# Altium PCB NIMBUS_BASEv2_B.PcbDoc (part 3 of 3)
Units mm, origin at the board's own origin, x right, y up, seen from the top; angles counter-clockwise.
Board outline 112.96 x 78 mm, 4 copper layers (Top Layer, Signal Layer 1, GND, Bottom Layer), stack 0.778 mm thick; 176 components, 193 nets, 813 pads, 983 vias.
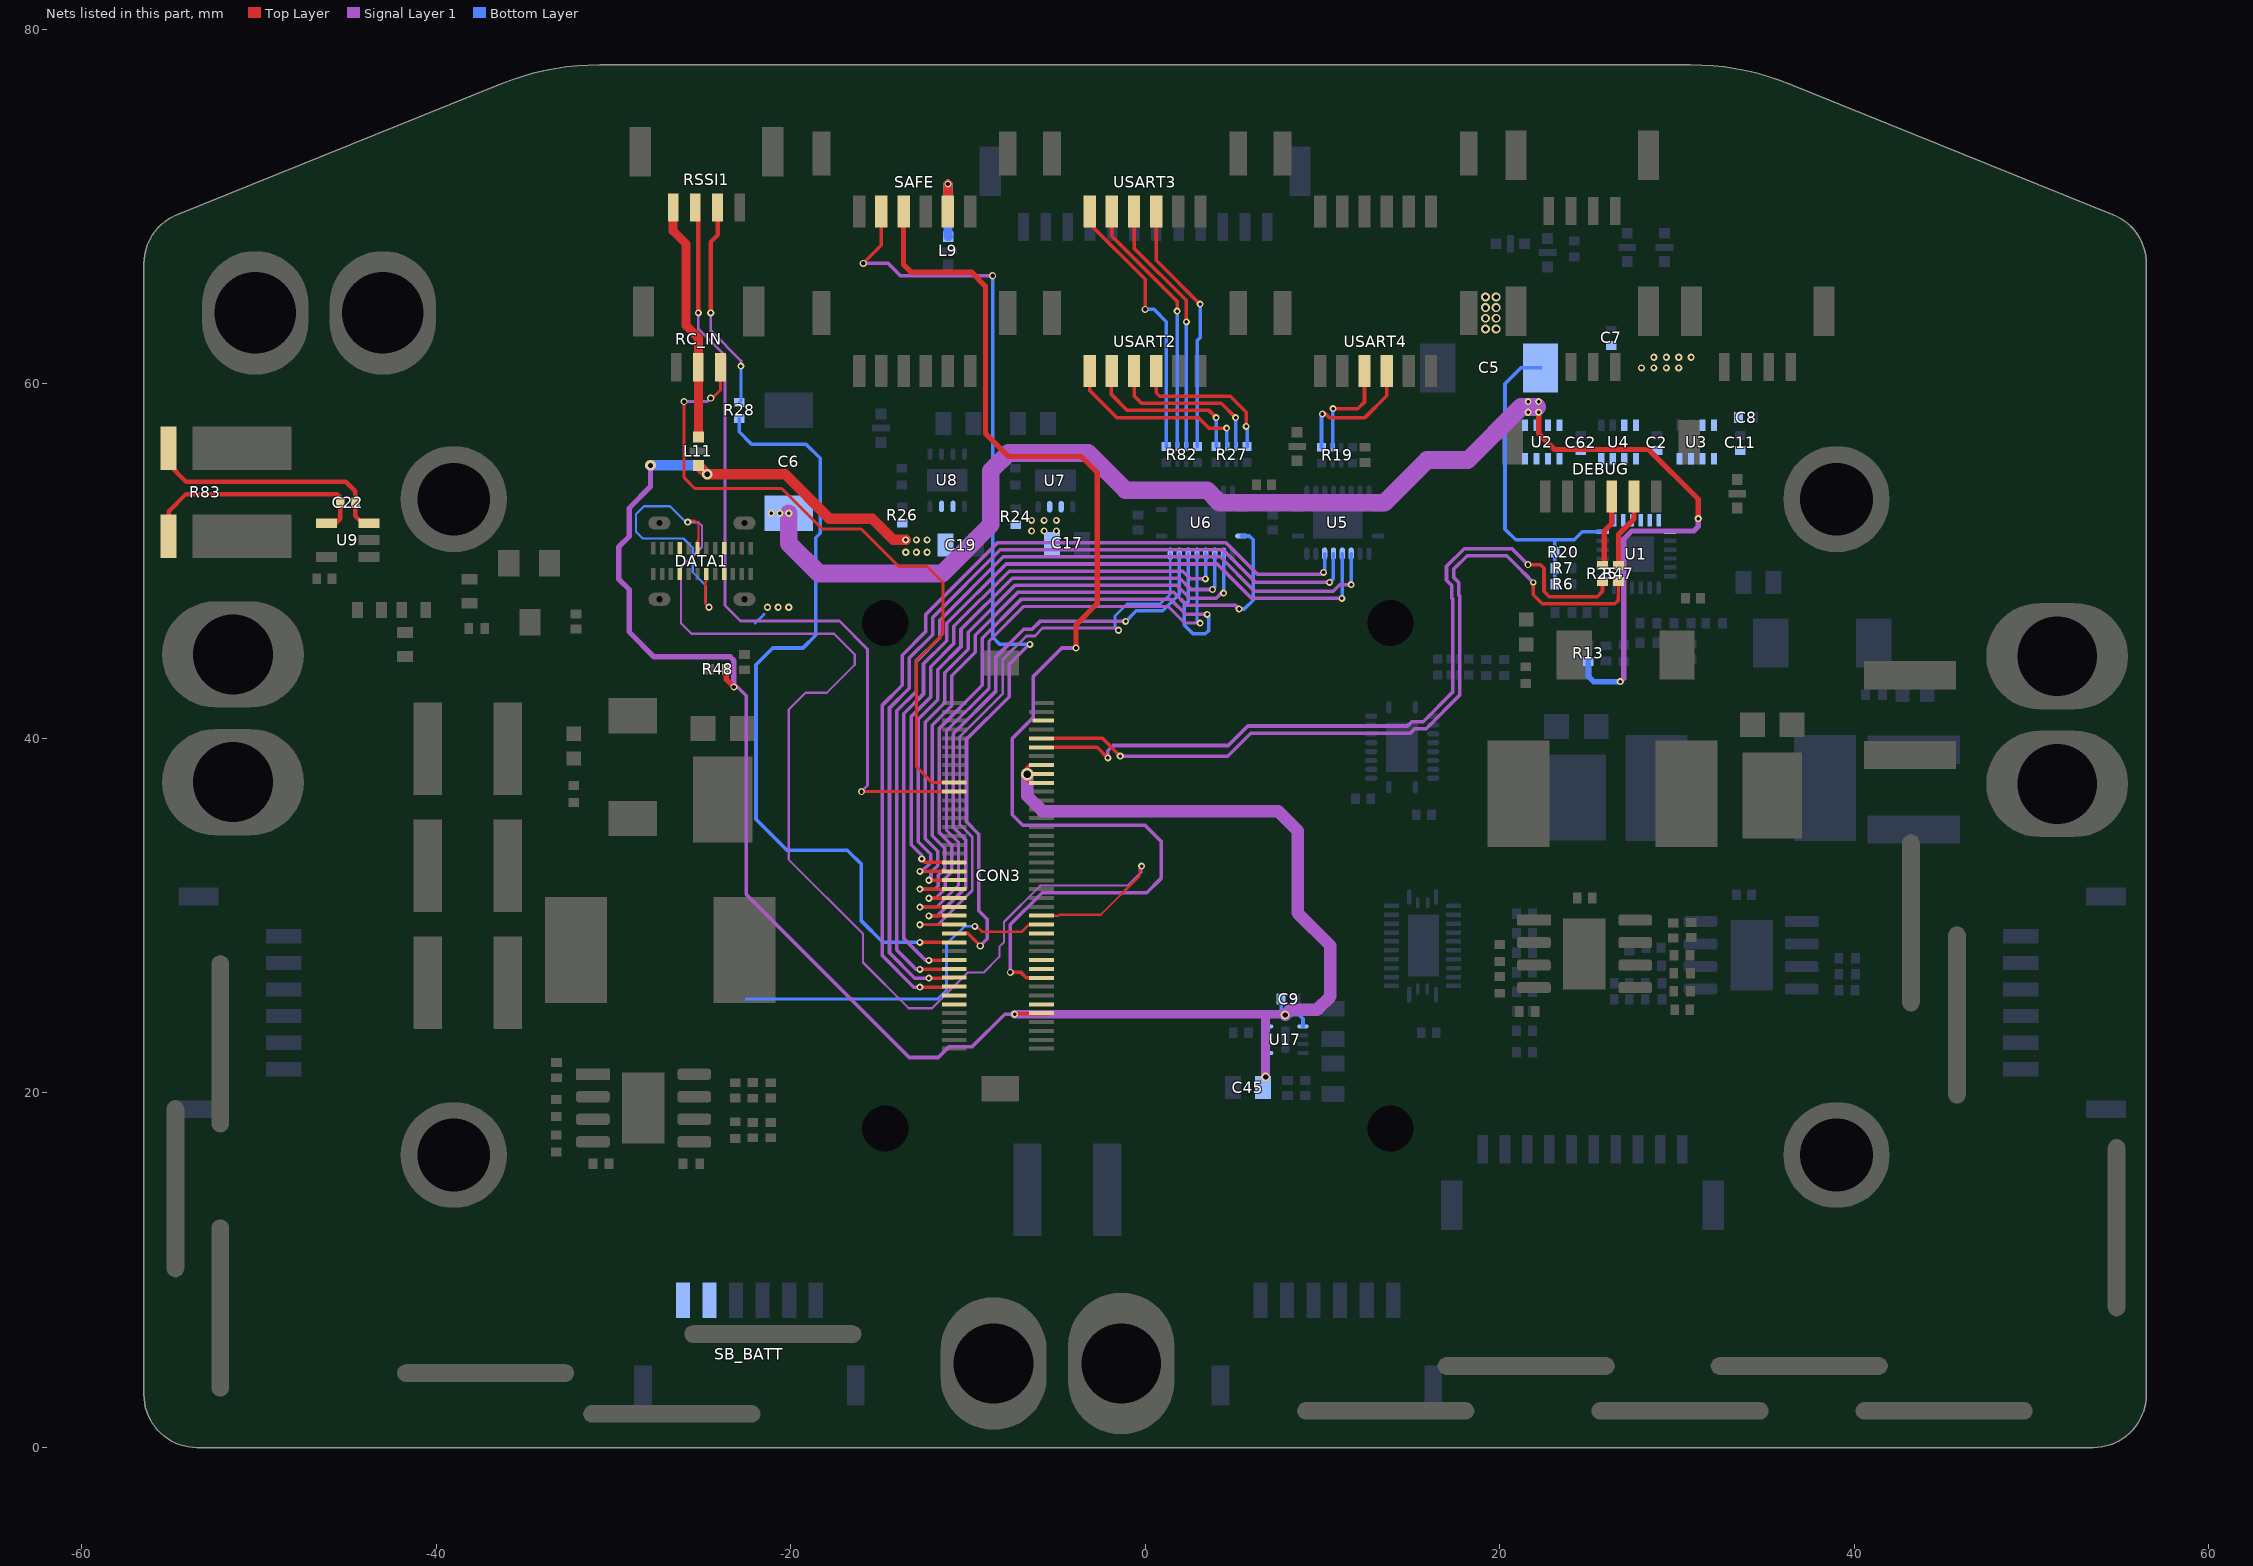
[diagram p5: the nets of this part, all layers, seen from the top]

## Via types
v1: diameter 0.4, hole 0.2, Top Layer to Bottom Layer, tented both sides, 647 vias
v2: diameter 0.5, hole 0.35, Top Layer to Bottom Layer, tented top, 135 vias
v3: diameter 0.5, hole 0.3, Top Layer to Bottom Layer, tented both sides, 126 vias
v4: diameter 0.4, hole 0.25, Top Layer to Bottom Layer, tented both sides, 46 vias
v5: diameter 0.35, hole 0.2, Top Layer to Bottom Layer, tented both sides, 18 vias
v6: diameter 0.6, hole 0.3, Top Layer to Bottom Layer, tented both sides, 6 vias
v7: diameter 0.65, hole 0.65, Top Layer to Bottom Layer, tented both sides, 4 vias
v8: diameter 0.7, hole 0.4, Top Layer to Bottom Layer, tented both sides, 1 vias

## Nets (pads, with @x,y where several pads share a name; then routed paths per layer and width w, separated by ;. In a path a pad name is that pad's centre, name@x,y a point inside that pad or via, vN(x,y) a via of type N, cw(c..) or ccw(c..) an arc to the next point about the centre after c; other vN are vias at no path point) (continued)
OTG_P: CON3.16 DATA1.A6 DATA1.B6 | length 82.7
  Top Layer w0.125: v1(-25.8,52.2) -25.8,52.3 -25.4,52.3 -25.19,52.09 -25.19,51.198 -25.25,51.137 DATA1.A6@-25.25,50.725 ; DATA1.B6@-24.75,49.275 -24.75,48.863 -24.811,48.802 -24.811,47.611 v1(-24.6,47.4) ; CON3.16@-5.502,29.994 -4.881,29.994 -4.817,30.058 -2.506,30.058 -0.321,32.243 -0.321,32.679 v1(-0.2,32.8)
  Signal Layer 1 w0.125: v1(-25.8,52.2) -25.2,52.2 ; -25.2,52.2 -25,52 -25,50.8 -26.179,49.621 -26.179,46.492 -25.587,45.9 -17.546,45.9 -16.379,44.733 -16.379,44.157 -17.957,42.579 -19.157,42.579 -19.268,42.468 -20.099,41.637 -20.099,33.163 -15.914,28.978 -15.914,27.358 -13.331,24.775 -12.025,24.775 -10,26.8 -9.1,26.8 -8.221,27.679 -8.221,28.243 -7.963,28.502 -7.963,29.65 -5.95,31.663 -5.937,31.663 -5.9,31.7 -0.964,31.7 -0.2,32.464 v1(-0.2,32.8)
  Bottom Layer w0.125: v1(-25.8,52.2) -25.9,52.2 -26.8,53.1 -28.264,53.1 -28.721,52.643 -28.721,51.657 -28.343,51.279 -26.043,51.279 -25.521,50.757 -25.521,49.367 -24.81,48.657 -24.81,47.61 v1(-24.6,47.4)
RC_IN_PORT: CON3.50 RC_IN.3 | length 38.5
  Top Layer w0.17: v4(-26,59) -26,54.7 -25.4,54.1 -20.5,54.1 -18.2,51.8 -16.003,51.8 -13.903,49.7 -12.3,49.7 -11.4,48.8 -11.4,45.9 -12.9,44.4 -12.9,38.4 -12.002,37.502 CON3.50@-10.817,37.502 ; v4(-24.5,59.2) -24.4,59.2 -23.95,59.65 RC_IN.3@-23.95,60.931 ; CON3.50@-10.815,37.5 CON3.50@-10.817,37.502 ; CON3.50@-10.769,37.502 CON3.50@-10.817,37.502
  Signal Layer 1 w0.17: v4(-26,59) -24.7,59 v4(-24.5,59.2)
RC_VCC: L11.P$2 RC_IN.2 RSSI1.1 | length 13.5
  Top Layer w0.5: RSSI1.1@-26.625,69.95 -26.625,68.625 -25.9,67.9 -25.9,63.3 -25.2,62.6 RC_IN.2@-25.2,60.931 L11.P$2@-25.2,57
RSSI: R28.2 RSSI1.3 | length 11.9
  Top Layer w0.154: RSSI1.3@-24.125,69.95 RSSI1.3@-24.1,69.925
  Top Layer w0.254: v1(-24.5,64) -24.5,68 -24.1,68.4 RSSI1.3@-24.1,69.925
  Signal Layer 1 w0.154: v1(-24.5,64) -24.5,63 -22.8,61.3 v1(-22.8,61)
  Bottom Layer w0.154: R28.2@-22.9,58.95 -22.8,59.05 v1(-22.8,61)
RSSI_IN: CON3.68 R28.1 | length 44.7
  Top Layer w0.2: v1(-12.7,28.499) -12.696,28.503 CON3.68@-10.819,28.503
  Bottom Layer w0.2: R28.1@-22.9,58.05 -22.9,57.3 -22.2,56.6 -19.125,56.6 -18.325,55.8 -18.325,51.572 -18.585,51.312 -18.585,45.815 -19.3,45.1 -21,45.1 -21.95,44.15 -21.95,35.45 -20.2,33.7 -16.8,33.7 -16,32.9 -16,29.7 -14.799,28.499 v1(-12.7,28.499)
SAFE_VCC: L9.P$2 SAFE.2 | length 4.5
  Top Layer w0.5: SAFE.2@-11.125,69.725 v4(-11.125,71.275)
  Bottom Layer w0.5: v4(-11.125,71.275) -11.125,68.325 L9.P$2@-11.1,68.3
SAFETY: CON3.9 SAFE.4 | length 70.7
  Top Layer w0.2: v4(-7.6,26.8) -7,26.8 -6.698,26.498 CON3.9@-5.852,26.498
  Top Layer w0.3: SAFE.4@-13.625,69.725 -13.625,66.725 -13.2,66.3 -9.8,66.3 -9,65.5 -9,57.2 -7.7,55.9 -3.6,55.9 -2.7,55 -2.7,47.6 -3.9,46.4 v4(-3.9,45.1)
  Signal Layer 1 w0.2: v4(-7.6,26.8) -7.6,29.5 -5.8,31.3 0.1,31.3 0.9,32.1 0.9,34.2 -0.004,35.104 -6.904,35.104 -7.5,35.7 -7.5,40 -6.3,41.2 -6.3,43.5 -4.7,45.1 v4(-3.9,45.1)
SAFETY_LED: CON3.67 SAFE.5 | length 54.5
  Top Layer w0.2: v4(-15.9,66.8) -14.875,67.825 SAFE.5@-14.875,69.725 ; CON3.67@-10.769,29.002 -10.002,29.002 v4(-9.3,28.3)
  Signal Layer 1 w0.2: v4(-15.9,66.8) -14.5,66.8 -13.8,66.1 v4(-8.6,66.1) ; v4(-9.3,28.3) -8.9,28.7 -8.9,29.8 -9.376,30.276 -9.376,34.603 -10.076,35.303 -10.076,39.945 -7.661,42.36 -7.661,44.185 v1@-6.5,45.346
  Bottom Layer w0.2: v4(-8.6,66.1) -8.6,45.7 -8.2,45.3 v1(-6.5,45.3)
SBUS_OUTPUT_PROT: CON3.51 RSSI1.2 | length 45.6
  Top Layer w0.154: RSSI1.2@-25.375,69.95 RSSI1.2@-25.2,69.775 ; v4(-16,37) -15.998,37.002 CON3.51@-10.769,37.002
  Top Layer w0.254: v1(-25.2,64) RSSI1.2@-25.2,69.775
  Signal Layer 1 w0.154: v1(-25.2,64) -25.2,63.1 -23.7,61.6 -23.7,47.499 -22.82,46.619 -17.248,46.619 -15.661,45.031 -15.661,37.339 v4(-16,37)
SERVO_G: U1.15 U4.2 U4.4
SERVO_VCC: CON3.14
SERVO_VS: C2.1 U1.16 U4.1 U4.3
SPI5_CS1_EX1: CON3.38
SPI5_CS2_EX1: CON3.6
SPI5_CS3_EX1: CON3.10
UART4_RX: R19.1 USART4.3 | length 7.5
  Top Layer w0.2: v1(10,58.3) 10.193,58.3 10.393,58.1 12.4,58.1 13.625,59.325 USART4.3@13.625,60.725
  Bottom Layer w0.2: R19.1@9.95,56.425 9.95,58.25 v1(10,58.3)
UART4_RX_PORT: CON3.73 U5.7 | length 51
  Top Layer w0.2: v1(-12.7,25.971) -12.696,25.975 CON3.73@-10.819,25.975
  Signal Layer 1 w0.2: v1(-12.7,25.971) -13.054,25.971 -14.818,27.735 -14.818,41.884 -13.7,43.002 -13.7,44.7 -12.385,46.015 -12.385,46.985 -8.33,51.04 4.56,51.04 6.338,49.262 10.062,49.262 v1(10.062,49.362)
  Bottom Layer w0.2: v1(10.062,49.362) 10.125,49.425 U5.7@10.125,50.418
UART4_TX: R19.2 USART4.4 | length 5.9
  Top Layer w0.2: v1(10.6,58.6) 12,58.6 12.375,58.975 USART4.4@12.375,60.725
  Bottom Layer w0.2: R19.2@10.575,56.425 10.575,58.575 v1(10.6,58.6)
UART4_TX_PORT: CON3.72 U5.6 | length 50.6
  Top Layer w0.2: v1@-12.2,26.471 v1(-12.196,26.475) CON3.72@-10.819,26.475
  Signal Layer 1 w0.2: v1(-12.196,26.475) -12.992,26.475 -14.418,27.901 -14.418,41.718 -13.3,42.836 -13.3,44.534 -11.985,45.849 -11.985,46.819 -8.164,50.64 4.394,50.64 6.234,48.8 v1(10.4,48.8)
  Bottom Layer w0.2: v1(10.4,48.8) 10.625,49.025 U5.6@10.625,50.418
UART7_RX: DEBUG.3 R25.2 | length 4.1
  Top Layer w0.3: R25.2@25.8,49.75 25.9,49.85 25.9,51.7 26.325,52.125 DEBUG.3@26.325,53.65
UART7_RX_DEBUG: CON3.35 R25.1 | length 43.9
  Top Layer w0.2: CON3.35@-5.502,39.504 -2.704,39.504 v1(-2.1,38.9) ; v4(21.6,49.8) 22.3,49.8 22.5,49.6 22.5,48.3 22.8,48 25.5,48 25.8,48.3 R25.1@25.8,48.85
  Signal Layer 1 w0.2: v1(-2.1,38.9) -2.1,39.3 -1.8,39.6 4.697,39.6 5.797,40.7 14.797,40.7 15.047,40.95 15.683,40.95 17.35,42.617 17.35,47.87 17.3,47.92 17.3,48.627 17,48.927 17,49.703 17.997,50.7 20.7,50.7 v4(21.6,49.8)
UART7_TX: DEBUG.2 R47.2 | length 4.3
  Top Layer w0.3: R47.2@26.7,49.75 26.7,51.5 27.575,52.375 DEBUG.2@27.575,53.65
UART7_TX_DEBUG: CON3.36 R47.1 | length 44.6
  Top Layer w0.2: CON3.36@-5.502,40.004 -2.404,40.004 v1(-1.4,39) ; v5(21.9,48.8) 21.9,48.1 22.4,47.6 26.5,47.6 26.7,47.8 R47.1@26.7,48.85
  Signal Layer 1 w0.2: v1(-1.4,39) 4.663,39 5.963,40.3 14.963,40.3 15.213,40.55 15.849,40.55 17.75,42.451 17.75,48.036 17.7,48.086 17.7,48.793 17.4,49.093 17.4,49.537 18.163,50.3 20.4,50.3 21.1,49.6 21.1,49.593 21.393,49.3 21.4,49.3 v5(21.9,48.8)
USART1_GPS1_RX: CON3.71 U5.4 | length 50.8
  Top Layer w0.2: v1(-12.7,26.975) -12.696,26.979 CON3.71@-10.819,26.979
  Signal Layer 1 w0.2: v1(-12.7,26.975) -12.926,26.975 -14.018,28.067 -14.018,41.553 -12.9,42.671 -12.9,44.369 -11.585,45.684 -11.585,46.654 -7.999,50.24 4.229,50.24 6.169,48.3 10.607,48.3 10.982,48.675 v1(11.625,48.675)
  Bottom Layer w0.2: U5.4@11.625,50.418 v1(11.625,48.675) v1@11.7,48.6
USART1_GPS1_TX: CON3.70 U5.5 | length 49.1
  Top Layer w0.2: v1@-12.2,27.475 v1(-12.196,27.479) CON3.70@-10.819,27.479
  Signal Layer 1 w0.2: v1(-12.196,27.479) -12.387,27.479 -13.618,28.71 -13.618,41.387 -12.5,42.505 -12.5,44.203 -11.185,45.518 -11.185,46.488 -7.833,49.84 4.063,49.84 6.003,47.9 v1(11.1,47.9)
  Bottom Layer w0.2: v1(11.1,47.9) 11.125,47.925 U5.5@11.125,50.418
USART2_CTS: R27.5 USART2.5 | length 9.4
  Top Layer w0.2: USART2.5@-1.875,60.725 -1.9,60.7 -1.9,59.4 -1,58.5 3.6,58.5 v1(4,58.1)
  Bottom Layer w0.2: R27.5@4,56.461 v1(4,58.1)
USART2_CTS_PORT: CON3.59 U6.5 | length 33.3
  Top Layer w0.2: v1(-12.6,33.2) -12.404,33.004 CON3.59@-10.819,33.004
  Signal Layer 1 w0.2: v1(-12.6,33.2) -12.6,33.409 -13.2,34.009 -13.2,41.239 -12.1,42.339 -12.1,44.037 -10.785,45.352 -10.785,46.322 -7.667,49.44 2.117,49.44 2.557,49 v1(3.4,49)
  Bottom Layer w0.2: v1(3.4,49) 3.425,49.025 U6.5@3.425,50.418
USART2_RTS: R27.6 USART2.6 | length 10.8
  Top Layer w0.2: USART2.6@-3.125,60.725 -3.125,59.625 -1.6,58.1 3,58.1 3.6,57.5 v1(4.6,57.5)
  Bottom Layer w0.2: v1(4.6,57.5) 4.6,56.486 R27.6@4.625,56.461
USART2_RTS_PORT: CON3.60 U6.4 | length 34.9
  Top Layer w0.2: v1(-12.7,32.5) -12.696,32.504 CON3.60@-10.819,32.504
  Signal Layer 1 w0.2: v1(-12.7,32.5) -12.592,32.5 -12.1,32.993 -12.1,33.474 -12.8,34.174 -12.8,41.074 -11.7,42.174 -11.7,43.872 -10.385,45.187 -10.385,46.157 -7.502,49.04 1.952,49.04 2.592,48.4 v1(3.8,48.4)
  Bottom Layer w0.2: v1(3.8,48.4) 3.925,48.525 U6.4@3.925,50.418
USART2_RX: R27.8 USART2.3 | length 8.7
  Top Layer w0.2: USART2.3@0.625,60.725 0.625,59.5 0.825,59.3 4.8,59.3 5.7,58.4 v1(5.7,57.6)
  Bottom Layer w0.2: v1(5.7,57.6) 5.75,57.55 R27.8@5.75,56.461
USART2_RX_PORT: CON3.62 U6.1 | length 40
  Top Layer w0.2: v1(-12.7,31.496) -12.696,31.5 CON3.62@-10.819,31.5
  Signal Layer 1 w0.2: v1(-12.7,31.496) -12.696,31.5 -11.856,31.5 -11.677,31.68 -11.677,32.284 -11.3,32.661 -11.3,33.806 -12,34.506 -12,40.742 -10.9,41.842 -10.9,43.54 -9.585,44.855 -9.585,45.825 -7.17,48.24 1.62,48.24 2.36,47.5 5.1,47.5 v1(5.3,47.3)
  Bottom Layer w0.2: v1(5.3,47.3) 5.6,47.3 6.1,47.8 6.1,51.2 5.882,51.418 U6.1@5.425,51.418
USART2_TX: R27.7 USART2.4 | length 9.3
  Top Layer w0.2: USART2.4@-0.625,60.725 -0.625,59.325 -0.2,58.9 4.3,58.9 v1(5.1,58.1)
  Bottom Layer w0.2: v1(5.1,58.1) 5.125,58.075 R27.7@5.125,56.461
USART2_TX_PORT: CON3.61 U6.3 | length 35
  Top Layer w0.2: v1@-12.2,31.996 v1(-12.196,32) CON3.61@-10.819,32
  Signal Layer 1 w0.2: v1(-12.196,32) -12.077,32.119 -12.077,32.45 -11.7,32.827 -11.7,33.64 -12.4,34.34 -12.4,40.908 -11.3,42.008 -11.3,43.706 -9.985,45.021 -9.985,45.991 -7.336,48.64 1.786,48.64 2.526,47.9 4.007,47.9 4.307,48.2 v1(4.425,48.2)
  Bottom Layer w0.2: v1(4.425,48.2) U6.3@4.425,50.418
USART3_CTS: R82.6 USART3.5 | length 14.9
  Top Layer w0.2: USART3.5@-1.875,69.725 -1.875,68.344 1.8,64.669 v1(1.8,64.1) v1@1.875,64.175
  Bottom Layer w0.2: R82.6@1.825,56.461 v1@1.825,64.1
USART3_CTS_PORT: CON3.65 U6.8 | length 32.5
  Top Layer w0.2: v1@-12.2,29.989 v1(-12.196,29.994) CON3.65@-10.819,29.994
  Signal Layer 1 w0.2: v1(-12.196,29.994) -11.708,29.994 -10.13,31.572 -10.13,34.29 -10.83,34.99 -10.83,40.258 -8.415,42.673 -8.415,44.593 -6.854,46.154 -6.379,46.154 -5.933,46.6 v1(-1.1,46.6)
  Bottom Layer w0.2: v1(-1.1,46.6) -0.5,47.2 1,47.2 1.925,48.125 U6.8@1.925,50.418
USART3_RTS: R82.5 USART3.6 | length 15.3
  Top Layer w0.2: USART3.6@-3.125,69.725 -3,69.6 -3,68.9 0,65.9 v4(0,64.2)
  Bottom Layer w0.2: v4(0,64.2) 0.5,64.2 1.2,63.5 R82.5@1.2,56.461
USART3_RTS_PORT: CON3.66 U6.9 | length 34.1
  Top Layer w0.154: v1@-12.696,29.494 CON3.66@-10.819,29.494
  Top Layer w0.2: v1(-12.7,29.489) v1@-12.696,29.494
  Signal Layer 1 w0.154: v1(-12.7,29.489) -11.68,29.489 -9.753,31.416 -9.753,34.447 -10.453,35.147 -10.453,40.101 -8.038,42.516 -8.038,44.437 -6.698,45.777 -6.223,45.777 -5.777,46.223 -1.623,46.223 v1(-1.5,46.1)
  Bottom Layer w0.154: v1(-1.5,46.1) -1.7,46.3 -1.7,46.9 -1,47.6 0.867,47.6 1.425,48.158 U6.9@1.425,50.418
USART3_RX: R82.8 USART3.3 | length 14.4
  Top Layer w0.2: USART3.3@0.625,69.725 0.625,66.975 v1(3.1,64.5)
  Bottom Layer w0.2: R82.8@2.95,56.461 2.95,62.45 3.1,62.6 v1(3.1,64.5)
USART3_RX_PORT: CON3.64 U6.6 | length 36.8
  Top Layer w0.17: v1(-12.7,30.48) -10.841,30.48 CON3.64@-10.819,30.502
  Signal Layer 1 w0.17: v1(-12.7,30.48) -11.767,30.48 -10.515,31.732 -10.515,34.131 -11.215,34.831 -11.215,40.417 -8.8,42.832 -8.8,45.5 -6.845,47.455 1.295,47.455 2.25,46.5 v1(3.1,46.5)
  Bottom Layer w0.17: U6.6@2.925,50.418 2.915,50.408 2.915,46.585 3,46.5 v1(3.1,46.5)
USART3_TX: R82.7 USART3.4 | length 14.5
  Top Layer w0.2: USART3.4@-0.625,69.725 -0.625,67.659 2.325,64.709 v1(2.325,63.5)
  Bottom Layer w0.2: R82.7@2.325,56.461 v1(2.325,63.5)
USART3_TX_PORT: CON3.63 U6.7 | length 38.8
  Top Layer w0.2: v1(-12.196,30.984) CON3.63@-10.819,30.984
  Signal Layer 1 w0.2: v1(-12.196,30.984) -11.807,30.984 -11.277,31.514 -11.277,32.119 -10.9,32.496 -10.9,33.971 -11.6,34.671 -11.6,40.576 -9.185,42.991 -9.185,45.659 -7.004,47.84 1.454,47.84 2.295,47 v1(3.5,47)
  Bottom Layer w0.2: U6.7@2.425,50.418 2.425,47.725 2.2,47.5 2.2,46.4 2.7,45.9 3.4,45.9 3.6,46.1 3.6,46.9 v1(3.5,47)
USART6_RX: CON3.75
USART6_TX: CON3.74
VBUS: C6.A CON3.15 DATA1.A4 DATA1.A9 DATA1.B4 DATA1.B9 R13.2 SB_BATT.1 SB_BATT.2 U1.19 U2.7 U2.8 | length 104.7
  Top Layer w0.15: v1@-9.5,29.4 -9.2,29.1 -6.952,29.1 -6.566,29.486 CON3.15@-5.502,29.486
  Top Layer w0.3: v1(22.2,58.4) 22.2,57.2 23.1,56.3 28.4,56.3 31.2,53.5 v1(31.2,52.4)
  Signal Layer 1 w0.3: v1(26.8,43.2) 27,43.4 27,51.249 27.452,51.701 30.95,51.701 31.2,51.95 v1(31.2,52.4)
  Signal Layer 1 w1: v1(-20.1,52.7) -20.1,51 -18.4,49.3 -11.45,49.3 -8.7,52.05 -8.7,55.1 -7.7,56.1 -3.2,56.1 -1.1,54 3.5,54 4.2,53.3 13.5,53.3 15.9,55.7 18.2,55.7 21.2,58.7 22.1,58.7
  Bottom Layer w0.15: -22.5,25.3 -11.7,25.3 -11.2,25.8 -11.2,28.4 -10.2,29.4 v1(-9.6,29.4) ; -22,46.5 -21.5,47 ; U1.19@29.616,51.651 30.951,51.651 31.1,51.8 ; 31,51.7 31.1,51.8 ; v1(31.2,52.4) 31.2,51.9 31.1,51.8
  Bottom Layer w0.3: R13.2@25,44.325 25,43.5 25.3,43.2 v1(26.8,43.2)
  other v1: -21.3,47.4 -20.7,47.4 -20.1,47.4 -21.1,52.7 -20.6,52.7 21.6,58.4 21.6,59 22.2,59
VBUS_G: U1.13 U2.2 U2.4
VBUS_VS: C62.1 U1.14 U2.1 U2.3
VDD_5V_IN: C5.A C7.2 C8.2 C9.2 C17.1 C19.1 C45.1 CON3.5 CON3.31 CON3.32 CON3.33 L11.P$1 R6.1 R7.1 R20.1 R24.2 R26.2 R48.2 U1.12 U2.5 U2.6 U3.5 U3.6 U4.5 U4.6 U7.2 U7.3 U8.2 U8.3 U17.1 U17.4 U17.5 | length 145.2
  Top Layer w0.2: v1(-7.359,24.441) -7.318,24.482 CON3.5@-5.502,24.482 ; v8@-6.7,37.7 -6.504,37.504 CON3.31@-5.502,37.504 ; v8@-6.7,38.3 -6.496,38.504 CON3.33@-5.502,38.504
  Top Layer w0.3: R48.2@-23.625,43.9 -23.625,43.325 v4(-23.2,42.9)
  Top Layer w0.6: L11.P$1@-25.2,55.4 v6(-24.7,54.9) -20.3,54.9 -17.8,52.4 -15.4,52.4 -14.2,51.2 v1(-13.5,51.2)
  Signal Layer 1 w0.2: v4(-23.2,42.9) -23.1,43 -22.5,42.4 -22.5,31.2 -13.3,22 -11.666,22 -11.066,22.6 -9.766,22.6 -7.925,24.441 v1(-7.359,24.441)
  Signal Layer 1 w0.3: v6(-27.9,55.4) -27.9,54.2 -29.1,53 -29.1,51.4 -29.7,50.8 -29.7,49 -29.1,48.4 -29.1,46 -27.7,44.6 -23.4,44.6 -23.2,44.4 v4(-23.2,42.9)
  Signal Layer 1 w0.5: v1(-7.359,24.441) 7.859,24.441 v3(7.9,24.4) ; v3(6.8,20.9) 6.8,24.4
  Signal Layer 1 w0.7: v8(-6.65,37.98) -6.65,36.75 -5.8,35.9 7.5,35.9 8.6,34.8 8.6,30.159 10.454,28.305 10.454,25.454 9.7,24.7 8.2,24.7 v3(7.9,24.4)
  Bottom Layer w0.2: U17.4@6.906,23.755 6.906,24.206 7.1,24.4 7.675,24.4 C9.2@7.675,25.3 ; v3@7.7,24.4 v3(7.9,24.4) 8.7,24.4 8.906,24.194 U17.5@8.906,23.755 ; C5.A@22.303,60.9 21.2,60.9 20.3,60 20.3,51.8 20.9,51.2 23.1,51.2 ; R6.1@23.125,48.7 23.1,48.725 23.1,50.5 23.1,51.2 ; U1.12@25.815,51.65 24.65,51.65 24.2,51.2 23.1,51.2
  Bottom Layer w0.6: v6(-27.9,55.4) -25.2,55.4 v6(-24.7,54.9)
  other v1: -13.5,50.5 -12.9,50.5 -12.3,50.5 -12.9,51.2 -12.3,51.2 -6.4,51.7 -5.7,51.7 -5,51.7 -6.4,52.3 -5.7,52.3 -5,52.3 28,60.9 28.7,60.9 29.4,60.9 30.1,60.9 28.7,61.5 29.4,61.5 30.1,61.5 30.8,61.5
  other v3: 19.2,63.1 19.8,63.1 19.2,63.7 19.8,63.7 19.2,64.3 19.8,64.3 19.2,64.9 19.8,64.9
VDD_5V_RC_EN: CON3.11
VDD_G: U1.17 U3.2 U3.4
VDD_VS: C11.1 U1.18 U3.1 U3.3
VS+: C22.1 R83.3 U9.3 | length 14.4
  Top Layer w0.254: R83.3@-55.085,56.367 -55.085,55.472 -54.1,54.487 -45.1,54.487 -44.55,53.937 C22.1@-44.55,53.287 -44.55,52.55 -44.137,52.137 U9.3@-43.775,52.137
VS-: C22.2 R83.4 U9.4 | length 13.6
  Top Layer w0.254: R83.4@-55.085,51.407 -55.085,52.802 -54.1,53.787 -45.587,53.787 -45.4,53.6 C22.2@-45.4,53.287 -45.4,52.4 -45.663,52.137 U9.4@-46.175,52.137
pads on no net: CAN1.0 CAN2.0 D1.4 D3.4 D4.4 DATA1.6 DATA1.A2 DATA1.A3 DATA1.A5 DATA1.A8 DATA1.A10 DATA1.A11 DATA1.B2 DATA1.B3 DATA1.B5 DATA1.B8 DATA1.B10 DATA1.B11 DEBUG.0 GPS1.0 I2C2.0 Left.0 R33.3 RC_IN.0 Right.0 SAFE.0 SAFE.6 SB_BATT.0 U1.11 U1.22 U1.23 U5.1 U5.3 U5.8 U5.9 U5.12 U5.13 U5.18 U5.20 U7.8 U8.8 U10.0 U11.0 U13.0 U17.6 U19.1 U19.3 U19.18 U19.20 USART2.0 USART3.0 USART4.0 V_TAIL.0
copper on no net:
  other v7: -10.069,21.228 -10.069,43.252 -28.75,50 -21.25,50

## Polygon pours and split planes (outlines as drawn)
GND on Bottom Layer "NONET_L-01_P-001" (solid, remove dead copper, pour order 182): 56.7,-0.3 56.5,-0.1 -56.6,-0.1 -56.6,68.7 -56.2,69.1 -34.4,78.4 33.8,78.6 56.8,69.1
ESC+ on Bottom Layer "Bottom Layer-ESC+" (solid, remove dead copper, pour order 184): 18.4,33 22.3,33 22.3,31.129 22.071,30.9 18.4,30.9
VBUS on Bottom Layer "Bottom Layer-VBUS" (solid, remove dead copper, pour order 174): -27.1,7 -23.8,7 -23.8,22.6 -21.85,24.55 -21.85,44.4 -21,45.1 -18.946,45.1 -18.585,45.815 -18.585,48.1 -23.7,48.1 -26.1,45.7 -26.1,10.6 -27.1,9.6
VBUS on Bottom Layer "NONET_L-01_P-001" (solid, remove dead copper, pour order 48): -21,54.5 -17.385,54.5 -17.385,49.025 -19.185,47.225 -19.91,46.5 -22,46.5 -22,54.3 -21.8,54.5
ESC+ on Bottom Layer "NONET_L-01_P-001" (solid, remove dead copper, pour order 132): -11.9,0 -5.3,0 -5.3,17.8 -11.9,17.8
ESC+ on Bottom Layer "NONET_L-01_P-001" (solid, remove dead copper, pour order 130): 47.6,41 56.582,41 56.582,33.5 55.982,32.9 49.1,32.9 50.4,32.9 50.4,31.3 50.4,28 43,28 40.1,28 36.2,28 36.1,28.1 36,28.2 36,28.7 36,28.8 36.2,29 36.3,29.1 39.2,29.1 39.8,29.1 40.2,29.5 40.6,29.9 40.6,37.5 40.6,37.8 40.9,38.1 41,38.2 46.6,38.2 46.6,40.5 47.1,41
DC4_SW on Bottom Layer "NONET_L-01_P-001" (solid, remove dead copper, pour order 128): 22.5,39.3 26.2,39.3 26.2,39.4 27,40.2 27.2,40.4 32.6,40.4 32.6,33 32.5,30.6 32.6,30.5 32.6,29.1 23.8,29.1 23.5,29.4 23.2,29.7 23.2,31.9 23.2,32.9 22.5,33.6
6V_A on Bottom Layer "NONET_L-01_P-001" (solid, remove dead copper, pour order 124): -50,22.054 -32.446,22.054 -32,22.5 -31.5,23 -31.5,28.5 -34.5,28.5 -39.25,23.75 -50,23.75
BAT+ on Bottom Layer "NONET_L-01_P-001" (solid, remove dead copper, pour order 118): -53.8,55 -53.7,55.1 -46.8,55.1 -46.8,72.7 -46.9,72.8 -56,69.1 -56.7,68.2 -56.582,57.9 -53.8,57.9
VDD_5V_IN on Bottom Layer "NONET_L-01_P-001" (solid, remove dead copper, pour order 34): 20.7,62.4 20.7,59.325 22.4,59.325 22.358,59.283 22.358,57.13 23.77,57.13 23.8,57.1 24,57.3 27.4,57.3 32.9,57.3 33.1,57.5 33.2,57.6 33.8,57.6 33.8,61.3 33.2,61.9 32.6,62.5 20.7,62.5
VBUS on Bottom Layer "NONET_L-01_P-001" (solid, remove dead copper, pour order 32): 20.7,56.8 20.7,59.4 22.4,59.4 22.4,56.8
6V_B on Bottom Layer "NONET_L-01_P-001" (solid, remove dead copper, pour order 30): 25.1,56.8 25.1,59.6 26.7,59.6 26.7,56.8
5.2V_D on Bottom Layer "NONET_L-01_P-001" (solid, remove dead copper, pour order 28): 31.1,58 31.1,56.9 29.562,56.9 29.5,56.962 29.5,59.6 31.1,59.6
VDD_5V_IN on Bottom Layer "NONET_L-01_P-001" (solid, remove dead copper, pour order 26): -5.7,53.6 -4.4,53.6 -4.4,50.2 -4.4,50.1 -4.6,49.9 -8,49.9 -8,52.3 -7.9,52.4 -7.8,52.5 -5.9,52.5 -5.9,52.6 -5.7,52.8
VDD_5V_IN on Bottom Layer "NONET_L-01_P-001" (solid, remove dead copper, pour order 24): -11.8,53.5 -10.5,53.5 -10.5,49.8 -13.8,49.8 -14.3,50.3 -14.4,50.4 -14.4,52.6 -12.7,52.6 -12.5,52.4 -11.8,52.4
5V_OUT1 on Bottom Layer "NONET_L-01_P-001" (solid, remove dead copper, pour order 22): -4.4,57.9 -4.4,60 -4.4,60.9 -4.2,61.1 -3.8,61.5 -1.3,61.5 -1.3,64.8 -3.3,64.8 -5.3,64.8 -5.9,64.2 -6.2,63.9 -6.2,57.9
5V_OUT1 on Bottom Layer "NONET_L-01_P-001" (solid, remove dead copper, pour order 20): -6.2,58.5 -4.5,58.5 -4.4,58.4 -4.4,55.6 -5.8,55.6 -5.8,56.7 -6.2,57.1
5V_OUT2 on Bottom Layer "NONET_L-01_P-001" (solid, remove dead copper, pour order 18): -11.9,58.6 -10.5,58.6 -10.5,55.6 -11.9,55.6
VDD_VS on Bottom Layer "NONET_L-01_P-001" (solid, remove dead copper, pour order 14): 28.64,51.9 29.1,51.9 29.7,51.9 30.5,51.9 30.6,52 34,55.4 34,56.5 31.8,56.5 31.7,56.6 31.7,55.4 31.173,55.4 31.173,56.299 30.423,56.299 30.4,56.275 30.4,54 29.3,54 28.8,53.5
VDD_G on Bottom Layer "NONET_L-01_P-001" (solid, remove dead copper, pour order 12): 28.14,51.9 28.7,51.9 28.8,52 28.8,52.7 28.8,53.5 29.3,54 30.4,54 30.4,56.1 31.1,56.1 31.1,55.4 31.7,55.4 31.7,56.6 31.4,56.9 29.3,56.9 29.3,55.6 28.6,55.6 28.212,55.212 28.14,55.14 28.14,51.9
SERVO_VS on Bottom Layer "NONET_L-01_P-001" (solid, remove dead copper, pour order 10): 26.008,56.299 26,56.291 26,54.7 26.3,54.4 27.7,54.4 27.7,51.96 27.64,51.9 28.2,51.9 28.2,55.2 28.5,55.5 28.6,55.6 29.3,55.6 29.3,56.6 26,56.6
SERVO_G on Bottom Layer "NONET_L-01_P-001" (solid, remove dead copper, pour order 8): 27,51.9 27,53.6 25.1,53.6 25.1,56.8 27.2,56.8 27.2,55.4 26.8,55.4 26.8,56.1 25.8,56.1 25.8,54.8 26.2,54.4 27.6,54.4 27.6,54 27.6,51.9
VBUS_VS on Bottom Layer "NONET_L-01_P-001" (solid, remove dead copper, pour order 6): 21.6,56.2 21.6,52.7 26.6,52.7 26.6,51.9 27.1,51.9 27.1,52.8 27.1,53.6 25,53.6 25,56.2 23.6,56.2 22.9,56.2 22.9,55.4 22.5,55.4 22.5,56.2
VBUS_G on Bottom Layer "NONET_L-01_P-001" (solid, remove dead copper, pour order 4): 20.6,56.2 20.6,52 20.6,51.9 26.5,51.9 26.5,52.7 21.5,52.7 21.5,56.2 22.4,56.2 22.4,55.4 22.8,55.4 22.8,56.8 20.6,56.8
VDD_5V_IN on Bottom Layer "NONET_L-01_P-001" (solid, remove dead copper, pour order 60): 20.7,59.678 20.678,59.7 18.9,59.7 18.9,65.5 19,65.6 22.7,65.6 22.7,59.7
5.2V_D on Bottom Layer "NONET_L-01_P-001" (solid, remove dead copper, pour order 74): 34.7,49.7 36.6,49.7 37.2,49.1 37.2,42.5 37.2,41.9 38.1,41 38.3,40.8 40.3,40.8 40.3,33.5 40.2,33.4 39.8,33 33.1,33 33.1,40.5 34,41.4 34,42.9 32.9,44 32.6,44.3 32.6,47 32.6,47.2 33.1,47.7 33.2,47.8 34.7,47.8
VDD_5V_IN on Bottom Layer "NONET_L-01_P-001" (solid, remove dead copper, pour order 76): 6.2,22.4 7.4,22.4 7.4,19.5 6.2,19.5
IO1_3V3 on Bottom Layer "NONET_L-01_P-001" (solid, remove dead copper, pour order 78): 7.6,20.4 9.5,20.4 9.5,22.3 9.4,22.4 8.4,22.4 8.4,21.8 8.3,21.7 7.9,21.3 7.6,21.3
D2_3V3 on Bottom Layer "NONET_L-01_P-001" (solid, remove dead copper, pour order 80): 8.4,22.4 11.4,22.4 11.4,23.6 9.8,23.6 9.6,23.4 9.6,23.1 8.5,23.1 8.4,23
IO1_3V3 on Bottom Layer "NONET_L-01_P-001" (solid, remove dead copper, pour order 82): 11.4,22.1 11.4,21.1 9.2,21.1 9.1,21.2 9.1,22.1
6V_A on Bottom Layer "NONET_L-01_P-001" (solid, remove dead copper, pour order 98): 50.684,27.666 50.684,26.566 50.584,26.466 48.584,26.466 48.184,26.466 47.184,25.466 44.284,22.566 32.6,22.566 32.6,23.4 32.6,25.466 35.834,25.466 36,25.3 40.784,25.3 40.784,26.666 41.784,27.666 41.884,27.766 50.584,27.766
6V_B on Bottom Layer "NONET_L-01_P-001" (solid, remove dead copper, pour order 102): 13.3,7.1 15.4,7.1 15.9,7.6 15.9,15.493 15.193,15.493 14.8,15.1 13.3,13.6 13.3,13.4
GND on Top Layer "NONET_L-01_P-001" (solid, remove dead copper, pour order 180): 56.7,-0.3 56.5,-0.1 -56.6,-0.1 -56.6,68.7 -56.2,69.1 -34.4,78.4 33.8,78.6 56.8,69.1
6V_B on Top Layer "NONET_L-01_P-001" (solid, remove dead copper, pour order 68): 19,43.5 19,33.3 26.3,33.3 26.4,33.4 26.4,46.5 23,46.5 22.8,46.5 22.3,46 22.3,43.5
ESC+ on Top Layer "NONET_L-01_P-001" (solid, remove dead copper, pour order 122): -53.7,52.5 -53.7,49.9 -53.7,49.8 -54.5,49 -54.6,48.9 -56.282,48.9 -56.282,41.1 -56.182,41 -47,41 -46.5,41 -46.1,40.6 -46.5,41 -46.5,32.9 -55.982,32.9 -56.282,32.6 -56.3,32.582 -56.3,-0.1 -5.2,-0.1 -5,0.1 -5,8.3 -4.5,8.8 -4.3,8.8 5.8,8.8 5.8,-0.1 56.8,-0.1 56.8,40.5 56.6,40.7 56.3,41 39.3,41 39.3,24.8 34.2,19.7 27.9,13.4 -17.2,13.4 -33.2,13.4 -34.1,14.3 -34.6,14.8 -34.6,21.9 -34.6,22.1 -35.3,22.8 -35.4,22.9 -38.1,22.9 -38.1,42.2 -39.7,43.8 -41.1,45.2 -43.5,45.2 -43.5,45.3 -45.9,47.7 -47.6,49.4 -47.6,52.5
VDD_5V_IN on Top Layer "NONET_L-01_P-001" (solid, remove dead copper, pour order 154): -14.3,53.2 -14.3,49.8 -14.2,49.7 -12.3,49.7 -3.9,49.7 -3.4,50.2 -3.4,51.166 -3.4,52.8 -3.9,53.3 -14.3,53.3
6V_B on Top Layer "NONET_L-01_P-001" (solid, remove dead copper, pour order 144): 13.3,11.3 15.7,11.3 15.9,11.5 18.2,13.8 18.2,16.6 18.2,32.5 19,33.3 22.5,33.3 22.5,38.2 22.1,38.6 21.9,38.8 13.7,38.8 13.7,25.6 11.7,23.6 11.6,23.5 11.6,14.5 11.8,14.5 12.9,13.4 13.2,13.1 13.2,11.4
GND on Top Layer "NONET_L-01_P-001" (solid, remove dead copper, pour order 136): -5,0.21 -5,8.3 -4.5,8.8 5.8,8.8 5.8,0.21
ESC+ on Top Layer "NONET_L-01_P-001" (solid, remove dead copper, pour order 126): -30.25,20.25 -30.25,19.25 -35.5,19.25 -35.5,20.25
BAT+ on Top Layer "NONET_L-01_P-001" (solid, remove dead copper, pour order 112): -53.8,55 -53.7,55.1 -46.8,55.1 -46.8,72.7 -46.9,72.8 -56,69.1 -56.7,68.2 -56.582,57.9 -53.8,57.9
VBUS on Top Layer "NONET_L-01_P-001" (solid, remove dead copper, pour order 42): -26.5,51.7 -26,51.7 -26,49 -25.8,48.8 -25.4,48.4 -25.4,47.4 -24.6,47.4 -24.25,47.75 -24.25,49.275 -24.25,51.65 -24.3,51.7 -23.3,51.7 -23.3,48.4 -23.3,47.75 -19.5,47.75 -19.5,46.5 -19.5,46.2 -23.5,46.2 -23.6,46.1 -26.7,46.1 -26.7,48.8 -26.5,49 -26.5,51.4
DC2_SW on Top Layer "NONET_L-01_P-001" (solid, remove dead copper, pour order 56): -26.4,20.6 -24.3,20.6 -24,20.6 -23.8,20.8 -23.3,21.3 -20.6,21.3 -20.6,39.1 -26.4,39.1
6V_A on Top Layer "NONET_L-01_P-001" (solid, remove dead copper, pour order 58): -34.2,36.8 -27,36.8 -26.6,36.4 -26.6,23.5 -34.1,23.5 -34.2,23.6
DC_SW on Top Layer "NONET_L-01_P-001" (solid, remove dead copper, pour order 70): 26.25,31.5 26.25,29.3 28.75,29.3 28.75,30 29.05,30.3 30.75,32 32.35,32 37.35,32 37.45,32.1 37.85,32.5 37.85,39.5 32.75,39.5 32.25,40 32.05,40.2 26.25,40.2
ESC+ on Top Layer "NONET_L-01_P-001" (solid, remove dead copper, pour order 92): 22.9,28.9 22.9,28 18.3,28 18.3,33 22.1,33 22.3,32.8 22.5,32.6 22.5,31 22.3,30.8 21.9,30.4 20.9,30.4 20.9,29.4 20.9,29.3 22.8,29.3 22.9,29.2
6V_A on Top Layer "NONET_L-01_P-001" (solid, remove dead copper, pour order 100): 18.2,22.4 18.2,20 18.4,19.8 23,19.8 34,19.8 35.2,21 35.3,21.1 35.3,25.7 32.6,25.7 32.5,25.6 32.1,25.2 32.1,23.9 29.8,23.9 29.3,23.4 29.2,23.3 18.2,23.3
GND on Signal Layer 1 "NONET_L-01_P-001" (solid, remove dead copper, pour order 170): 56.7,-0.3 56.5,-0.1 -56.6,-0.1 -56.6,68.7 -56.2,69.1 -34.4,78.4 33.8,78.6 56.8,69.1
VDD_5V_IN on Signal Layer 1 "NONET_L-01_P-001" (solid, remove dead copper, pour order 156): -15.25,49.1 -11.65,49.1 -11.45,49.3 -8.8,51.95 -8.8,55 -8.7,55.1 -7.7,56.1 -7.4,56.1 -3.2,56.1 -1.1,54 3.5,54 10.5,61 11.2,61 12.508,62.308 21.2,62.308 21.2,66.6 12.8,66.6 12.5,66.6 10.7,64.8 6.4,64.8 5.6,64.8 2.7,61.9 -10.7,61.9 -10.7,61.4 -11.5,60.6 -11.8,60.3 -11.8,57.1 -15.25,53.65
ESC+ on Signal Layer 1 "NONET_L-01_P-001" (solid, remove dead copper, pour order 150): -56.482,49 -47,49 -41.75,49 -40.5,47.75 -36.5,43.75 -36.5,20.5 -36.5,18.5 -32,14 -31,13 -7,13 28.25,13 30.5,15.25 31,15.75 31,41 56.232,41 56.482,41.25 56.5,41.232 56.5,0.25 -56,0.25 -56.5,-0.25
BAT+ on Signal Layer 1 "NONET_L-01_P-001" (solid, remove dead copper, pour order 114): -53.8,55 -53.7,55.1 -46.8,55.1 -46.8,72.7 -46.9,72.8 -56,69.1 -56.7,68.2 -56.582,57.9 -53.8,57.9
VDD_5V_IN on Signal Layer 1 "NONET_L-01_P-001" (solid, remove dead copper, pour order 50): 25.842,61.3 28.042,63.5 31.2,63.5 31.3,63.4 33.2,61.5 33.2,59.7 25.842,59.7
VBUS on Signal Layer 1 "NONET_L-01_P-001" (solid, remove dead copper, pour order 62): -21.5,53.3 -19.2,53.3 -19.2,52.2 -19.3,52.1 -19.5,51.9 -21.5,51.9
6V_A on Signal Layer 1 "NONET_L-01_P-001" (solid, remove dead copper, pour order 90): 22.7,23.4 22.7,20.2 22.4,19.9 21.5,19 10.5,19 -20.498,19 -26.798,25.3 -34.082,25.3 -34.082,29.2 -25.7,29.2 -21.6,29.2 -13.9,21.5 6.6,21.5 17.6,21.5 19.5,23.4
6V_B on Signal Layer 1 "NONET_L-01_P-001" (solid, remove dead copper, pour order 106): 24.834,59.567 24.1,58.833 24.1,56.933 24.1,44.384 23.216,43.5 23.216,41.316 26.377,41.316 26.734,41.673 26.9,50.682 26.9,58.633 26.734,59.566
5.2V_D on Signal Layer 1 "NONET_L-01_P-001" (solid, remove dead copper, pour order 108): 29.1,59.7 29.1,53 29.1,52.201 29.6,51.701 29.625,51.675 30.975,51.675 31.525,51.675 32.1,51.1 32.1,44 32.1,42.9 32.4,42.9 34.4,42.9 34.4,51.6 32.7,53.3 31.1,54.9 31.1,59.7
GND on GND "NONET_L-01_P-001" (solid, remove dead copper, pour order 168): 56.7,-0.3 56.5,-0.1 -56.6,-0.1 -56.6,68.7 -56.2,69.1 -34.4,78.4 33.8,78.6 56.8,69.1
ESC+ on GND "NONET_L-01_P-001" (solid, remove dead copper, pour order 138): 18.5,33.2 18.5,29.8 18.7,29.6 40.7,29.6 40.7,31.8 22.7,31.8 22.7,32.4 21.9,33.2
BAT+ on GND "NONET_L-01_P-001" (solid, remove dead copper, pour order 116): -53.8,55 -53.7,55.1 -46.8,55.1 -46.8,72.7 -46.9,72.8 -56,69.1 -56.7,68.2 -56.582,57.9 -53.8,57.9

## Keep-outs
Keep-Out Layer:
  the board outline again, w0.013

## Other copper
Top Layer:
  rectangle net VDD_5V_IN: -13.9,50.1 -11.9,51.6
  rectangle net GND: -31.25,40.75 -26.25,41.75
  rectangle net GND: -25.899,39.75 -20.75,41.516
  rectangle net GND: -37.013,23.6 -34.905,42.276
  rectangle net GND: -29.771,16.895 -26.863,21.403
  rectangle net GND: 24.5,28 28.75,29
  rectangle net 6V_B: 13.332,11.672 15.5,14.5
  rectangle net GND: 39.9,42.3 46.7,45.4
  rectangle net GND: 27.2,71.246 29.254,75.3
Signal Layer 1:
  rectangle net 5V_OUT2: -12,57.2 -10.5,58.7
Bottom Layer:
  rectangle net GND: 3.3,2 5.4,5.5
  rectangle net GND: 26.2,40.488 26.712,41.4
  rectangle net GND: 21.6,40 26.2,41.5
  rectangle net GND: -12.6,54 -9.1,55.1
  rectangle net GND: -6.5,54 -3,55.1
  rectangle net GND: -4.4,0.3 2.1,17.8
  rectangle net ESC+: -50,19.5 -47.25,21.75
  rectangle net GND: 15.5,1.5 17.5,5
  rectangle net GND: 16.504,11.75 18.5,15.269
  rectangle net GND: 31.254,11.75 33,15.269
  rectangle net GND: 52.25,17.75 55.75,32
  rectangle net GND: -9.592,70.346 -7.884,73.654

## Silkscreen, mask and mechanical layers (free items; w line width, h text height)
Top Overlay:
  region: -4.911,44.25 -4.911,19.85 11.889,19.85 11.889,44.25
  region: 13.689,50.75 cw(c13.357,46.088) 16.889,49.15 cw(c13.687,46.127) 18.089,46 cw(c17.009,45.706) 18.057,45.313 cw(c15.402,44.703) 18.089,44.25 cw(c17.36,46.487) 17.089,44.15 -18.911,44.15 -18.911,46.35 cw(c-15.052,46.252) -17.711,49.05 cw(c-15.342,47.769) -16.111,50.35 -14.711,50.75
  region: 18.089,18.15 cw(c13.426,18.482) 16.489,14.95 cw(c13.465,18.152) 13.339,13.75 cw(c13.044,14.83) 12.651,13.782 cw(c12.041,16.437) 11.589,13.75 cw(c13.825,14.479) 11.489,14.75 11.489,50.75 13.689,50.75 cw(c13.59,46.891) 16.389,49.55 cw(c15.107,47.181) 17.689,47.95 18.089,46.55
  region: -14.511,13.75 cw(c-14.18,18.413) -17.711,15.35 cw(c-14.509,18.374) -18.911,18.5 cw(c-17.832,18.795) -18.88,19.188 cw(c-16.225,19.798) -18.911,20.25 cw(c-18.183,18.014) -17.911,20.35 18.089,20.35 18.089,18.15 cw(c14.229,18.249) 16.889,15.45 cw(c14.519,16.732) 15.289,14.15 13.889,13.75
  region: -18.911,46.35 cw(c-14.249,46.019) -17.311,49.55 cw(c-14.288,46.348) -14.161,50.75 cw(c-13.867,49.671) -13.474,50.719 cw(c-12.864,48.064) -12.411,50.75 cw(c-14.101,48.425) -11.595,49.833 -11.595,13.75 -14.511,13.75 cw(c-14.413,17.61) -17.211,14.95 cw(c-15.93,17.32) -18.511,16.55 -18.911,17.95
  text "+" at -45.3,69.2 h3 r90
  text "3V-AD" at 23.6,68.8 h1.25 r270
  text "SDA" at 9.6,68.7 h1.25 r270
  text "GND" at 15.7,68.7 h1.25 r270
  text "5V" at 22.4,68.7 h1.25 r270
  text "5V-AD" at 24.9,68.7 h1.25 r270
  text "GND" at 26.1,68.7 h1.25 r270
  text "NC" at -16.525,68.668 h1.25 r270
  text "S_LED" at -15.225,68.668 h1.25 r270
  text "SAFEY" at -14.025,68.668 h1.25 r270
  text "ALARM" at -12.725,68.668 h1.1 r270
  text "VCC" at -11.525,68.668 h1.25 r270
  text "GND" at -10.225,68.668 h1.25 r270
  text "3RTS" at -3.425,68.668 h1.25 r270
  text "3CTS" at -2.225,68.668 h1.25 r270
  text "3TX" at -0.925,68.668 h1.25 r270
  text "3RX" at 0.375,68.668 h1.25 r270
  text "VCC" at 1.575,68.668 h1.25 r270
  text "GND" at 2.875,68.668 h1.25 r270
  text "SCL" at 10.675,68.668 h1.25 r270
  text "GTX" at 12.075,68.668 h1.25 r270
  text "GRX" at 13.375,68.668 h1.25 r270
  text "VCC" at 14.475,68.668 h1.25 r270
  text "RSSI" at -23.8,67.3 h1.1 r90
  text "VCC" at -26.3,67 h1.25 r90
  text "GND" at -22.525,66.868 h1.25 r90
  text "SB_OUT" at -25,65.5 h1.25 r90
  text "-" at -42.4,60.7 h5 r180
  text "SDA2" at -16.425,59.668 h1.25 r270
  text "SCL2" at -15.125,59.668 h1.25 r270
  text "SDA3" at -13.925,59.668 h1.25 r270
  text "SCL3" at -12.725,59.668 h1.25 r270
  text "VCC" at -11.525,59.668 h1.25 r270
  text "GND" at -10.225,59.668 h1.25 r270
  text "SDA4" at 9.475,59.668 h1.25 r270
  text "SCL4" at 10.775,59.668 h1.25 r270
  text "4TX" at 12.075,59.668 h1.25 r270
  text "4RX" at 13.275,59.668 h1.25 r270
  text "VCC" at 14.475,59.668 h1.25 r270
  text "GND" at 15.775,59.668 h1.25 r270
  text "2RTS" at -3.425,59.568 h1.25 r270
  text "2CTS" at -2.225,59.568 h1.25 r270
  text "2TX" at -1.025,59.568 h1.25 r270
  text "2RX" at 0.275,59.568 h1.25 r270
  text "VCC" at 1.575,59.568 h1.25 r270
  text "GND" at 2.775,59.568 h1.25 r270
  text "L-" at 25.7,59.3 h1.25 r90
  text "L-" at 35.575,59.168 h1.25 r90
  text "H+" at 24.4,58.8 h1.25 r90
  text "H+" at 34.275,58.768 h1.25 r90
  text "RC" at -23.6,58.6 h1.25 r90
  text "VCC" at 23.1,58.2 h1.25 r90
  text "VCC" at 32.975,58.068 h1.25 r90
  text "GND" at 26.9,58 h1.25 r90
  text "VCC" at -24.825,57.968 h1.25 r90
  text "GND" at 36.775,57.868 h1.25 r90
  text "GND" at -26.125,57.768 h1.25 r90
  text "7-TX" at 23.468,52.325 h1.25 r270
  text "7-RX" at 24.768,52.325 h1.25 r270
  text "SDIO" at 25.968,52.325 h1.25 r270
  text "SWCLK" at 27.168,52.325 h1.25 r270
  text "GND" at 28.468,52.325 h1.25 r270
  text "5V+" at 22.2,52.2 h1.25 r270
Bottom Overlay:
  text "GND" at -1,65.8 h1.25 r270
  text "GND" at 1.5,65.8 h1.25 r270
  text "GND" at 4,65.8 h1.25 r270
  text "GND" at 6.5,65.8 h1.25 r270
  text "GND" at -6,65.7 h1.25 r270
  text "GND" at -3.5,65.7 h1.25 r270
  text "AUX4" at -2.2,65.5 h1.25 r270
  text "AUX3" at 0.3,65.5 h1.25 r270
  text "AUX2" at 2.8,65.5 h1.25 r270
  text "AUX1" at 5.3,65.5 h1.25 r270
  text "AUX6" at -7.2,65.4 h1.25 r270
  text "AUX5" at -4.7,65.4 h1.25 r270
  text "+" at -49.523,59.5 h5 r90
  text "-" at -42.4,57 h7
  text "GND" at -44.725,28.568 h1.5
  text "ESC+" at 47.8,28.4 h1.5
  text "S6" at -46.025,27.068 h1.5
  text "6V" at 47.9,26.9 h1.5
  text "S1" at -46.225,25.468 h1.5
  text "AUX1" at 47.9,25.4 h1.5
  text "AUX2" at -44.2,24 h1.5
  text "S1" at 48,23.8 h1.5
  text "6V" at -45.925,22.468 h1.5
  text "S5" at 48,22.4 h1.5
  text "ESC+" at -44.625,20.968 h1.5
  text "GND" at 48,20.9 h1.5
  text "S8" at 20,18.1 h1.25 r270
  text "S7" at 21.2,18.1 h1.25 r270
  text "S6" at 22.5,18.1 h1.25 r270
  text "S5" at 23.7,18.1 h1.25 r270
  text "S4" at 24.9,18.1 h1.25 r270
  text "S3" at 26.2,18.1 h1.25 r270
  text "S2" at 27.5,18.1 h1.25 r270
  text "S1" at 28.7,18.1 h1.25 r270
  text "GND" at 18.7,18 h1.25 r270
  text "GND" at 30,18 h1.25 r270
  text "5V_IN" at -25,9.8 h1.5 r270
  text "SCL2" at -22,9.8 h1.5 r270
  text "GND" at -20.6,9.8 h1.5 r270
  text "6V+" at 13.5,9.8 h1.5 r270
  text "5V_IN" at -26.8,9.7 h1.5 r270
  text "GND" at -19,9.7 h1.5 r270
  text "S4" at 10.5,9.7 h1.5 r270
  text "GND" at 12,9.7 h1.5 r270
  text "SDA2" at -23.5,9.6 h1.5 r270
  text "GND" at 6,9.6 h1.5 r270
  text "S8" at 7.5,9.6 h1.5 r270
  text "S2" at 9.1,9.6 h1.5 r270
Top Solder:
  region: -53.9,55 -46.8,55 -46.798,72.7 -54.606,69.545 ccw(c-54.606,67.669) -56.482,67.669 -56.482,57.9 -53.9,57.9
  region: -46.1,60.1 -40,60.1 -40,64.8 -29.7,75.1 29.1,75.1 31.6,75.1 32.8,75.1 41.136,66.764 47.4,60.5 47.4,61.6 47.4,60.5 47.4,41.6 56.4,41.6 56.5,41.5 56.6,41.6 56.6,68.4 55.4,69.6 34.1,78.2 -32.3,78.1 -36.045,77.245 -38.827,75.92 -46.1,73.1
  lines w3: -42.3,64.7 -30.5,76.5
  lines w4: -51.413,44.5 -46.75,44.5 -44.5,42.25 -44.5,32 -48.25,28.25 -48.25,11.25 -45.25,8.25 -31,8.25 -28.75,10.5 10.75,10.5 12.75,8.5 46,8.5 51.55,14.05 51.55,34.65
Bottom Solder:
  lines w2: -3.35,76.3 24.1,76.3
  lines w4: -46.25,4.5 -39,4.5 -28.9,14.6 -28.9,35.4 -30.75,37.25 -43.75,37.25 ; -42.5,63.75 -34.75,63.75 -31.75,60.75 ; -31.75,38 -31.75,60.75 ; -0.8,75.3 -28.25,75.3 -31.75,72.5 -31.75,60.75 ; 20.75,3.75 42.5,3.75 51.425,12.675 ; 24.1,75.3 31.6,75.3 38.4,68.5 46.3,68.5 50.6,64.2 50.6,52.9

## Text inside footprints (layer, text, board x,y; h text height)
P1: Bottom Overlay "+" at -45.5,34.5 h3 r90; Bottom Overlay "-" at -46.4,46.8 h3 r180
P2: Bottom Overlay "+" at 44.9,44.3 h3 r270; Bottom Overlay "-" at 49,31.3 h3
P3: Bottom Overlay "+" at -9.5,10.8 h3 r180; Bottom Overlay "-" at -1.2,10.4 h3 r180